# KiCad board GDI-6ch.kicad_pcb
title: GDI 6ch; date: 2024-10-09; rev: b; company: http://rusefi.com/
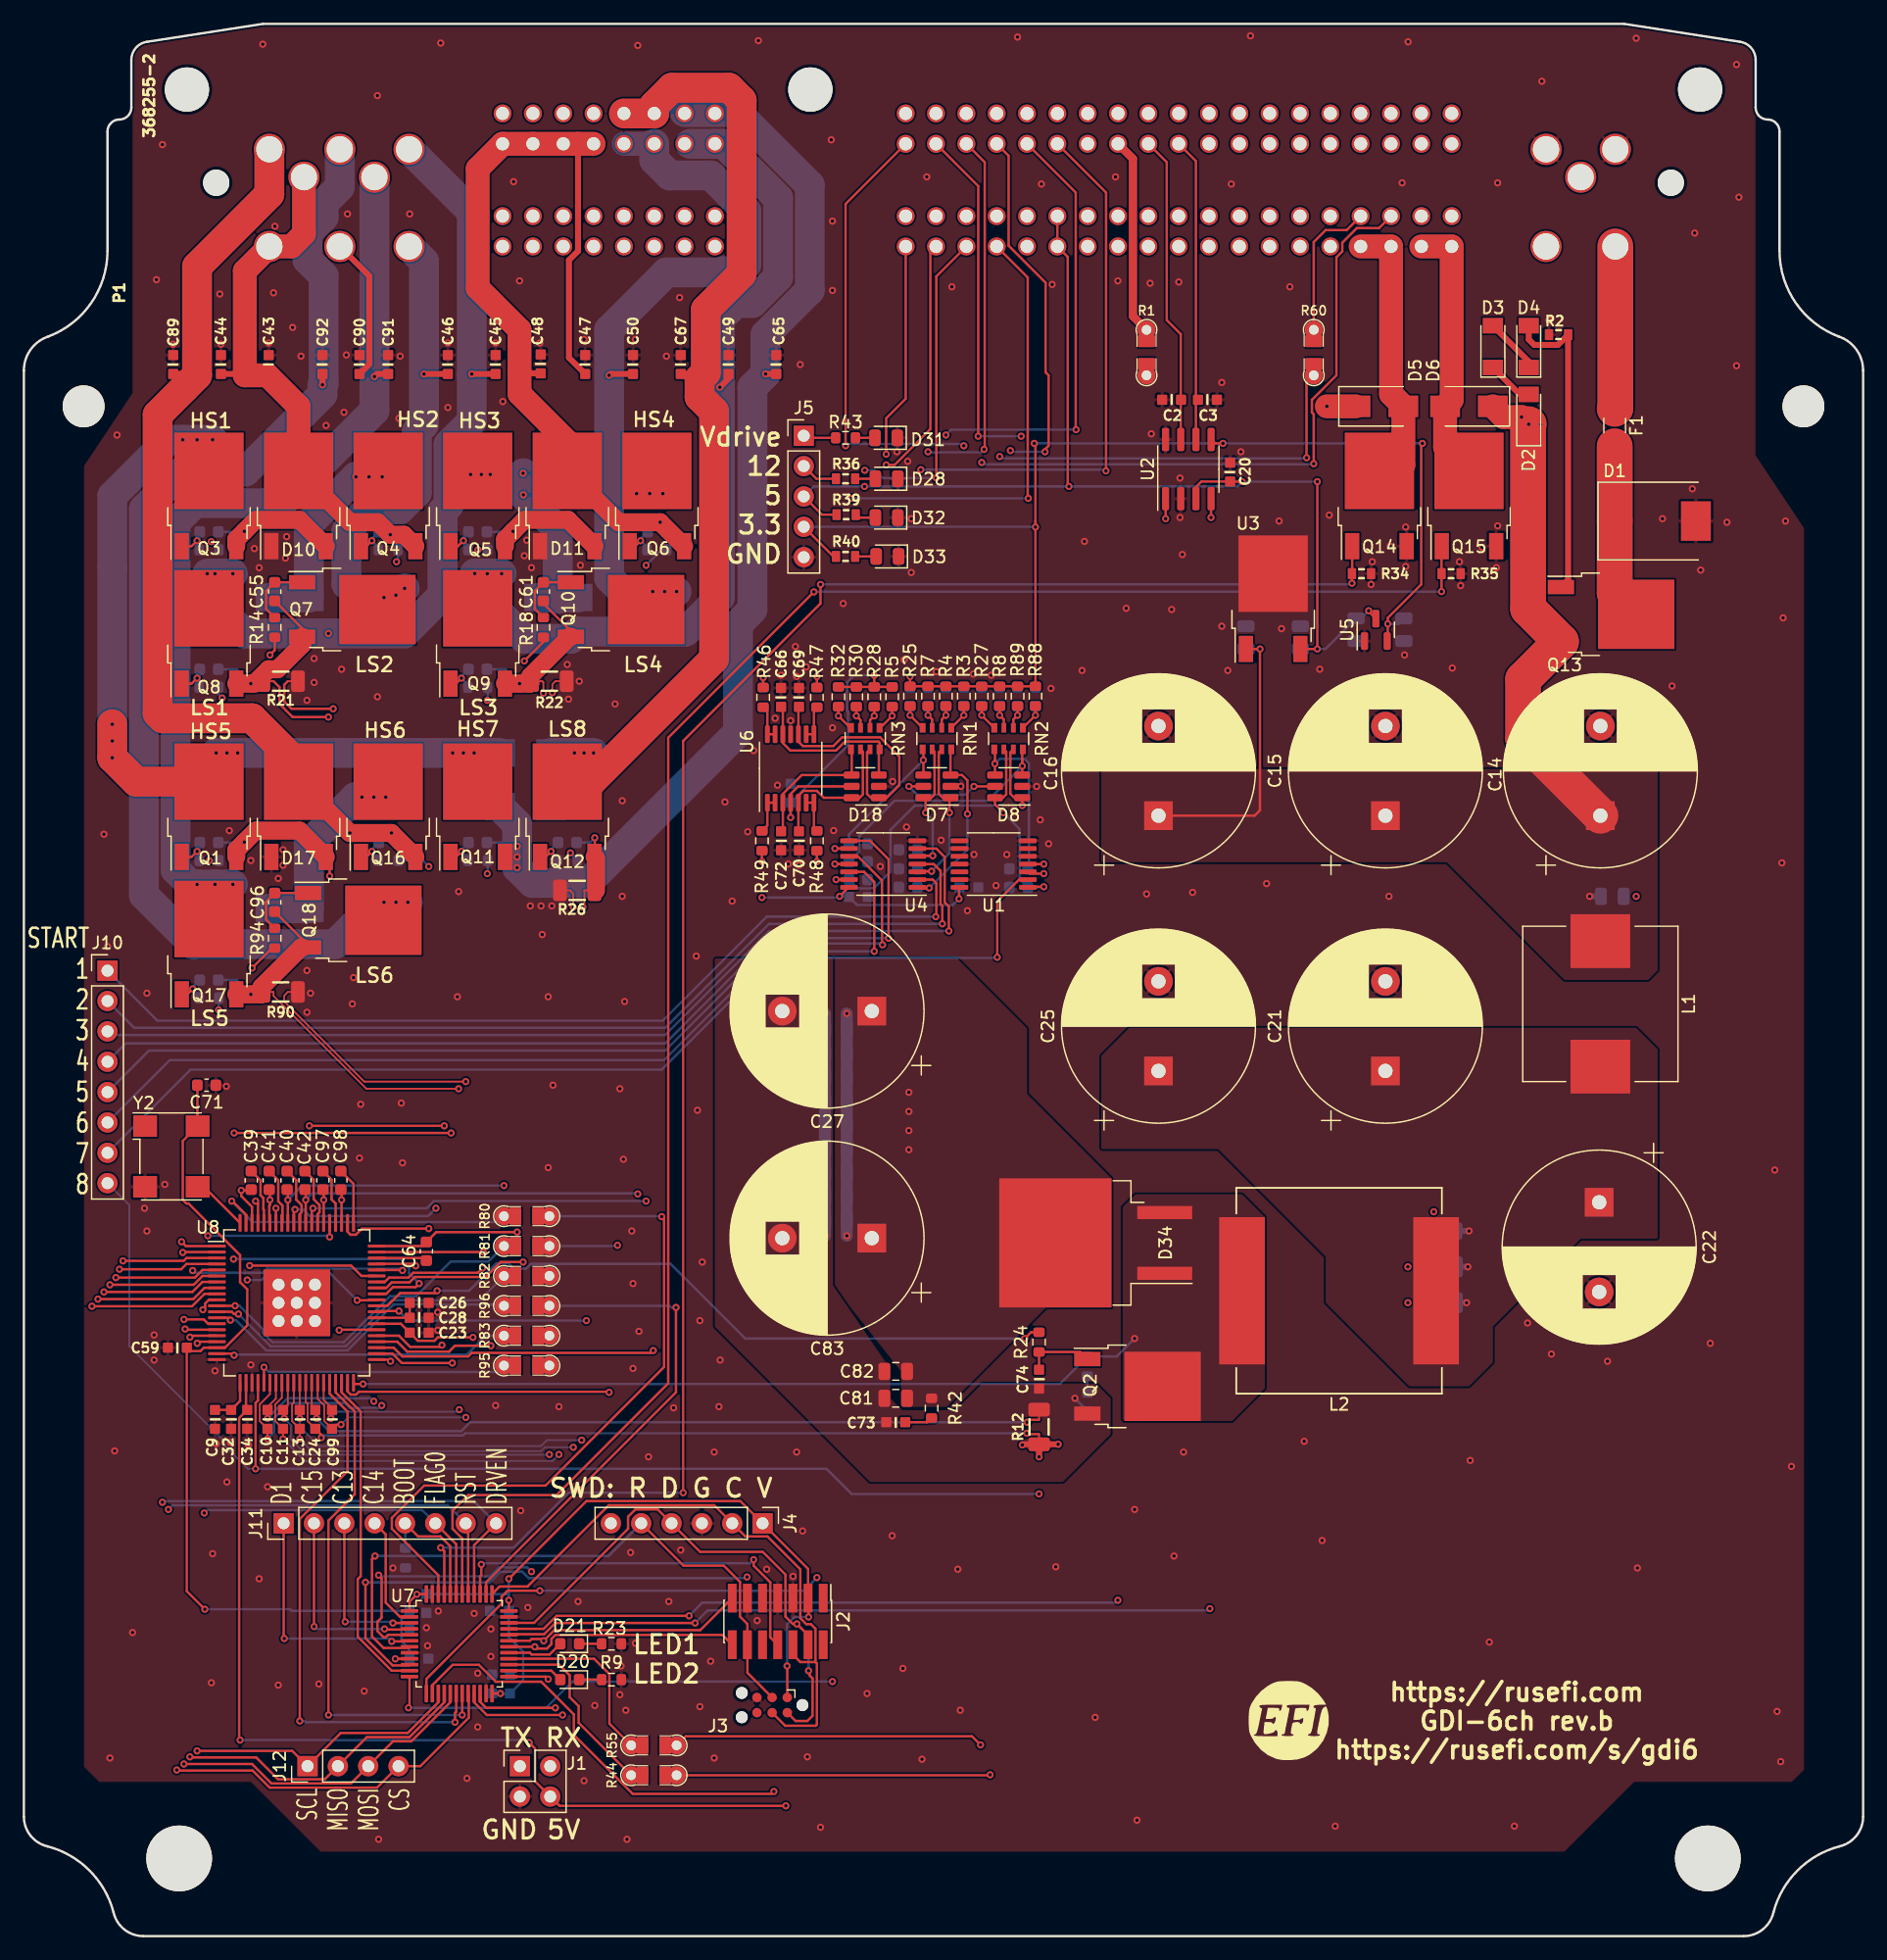
[diagram p0: board, top side]
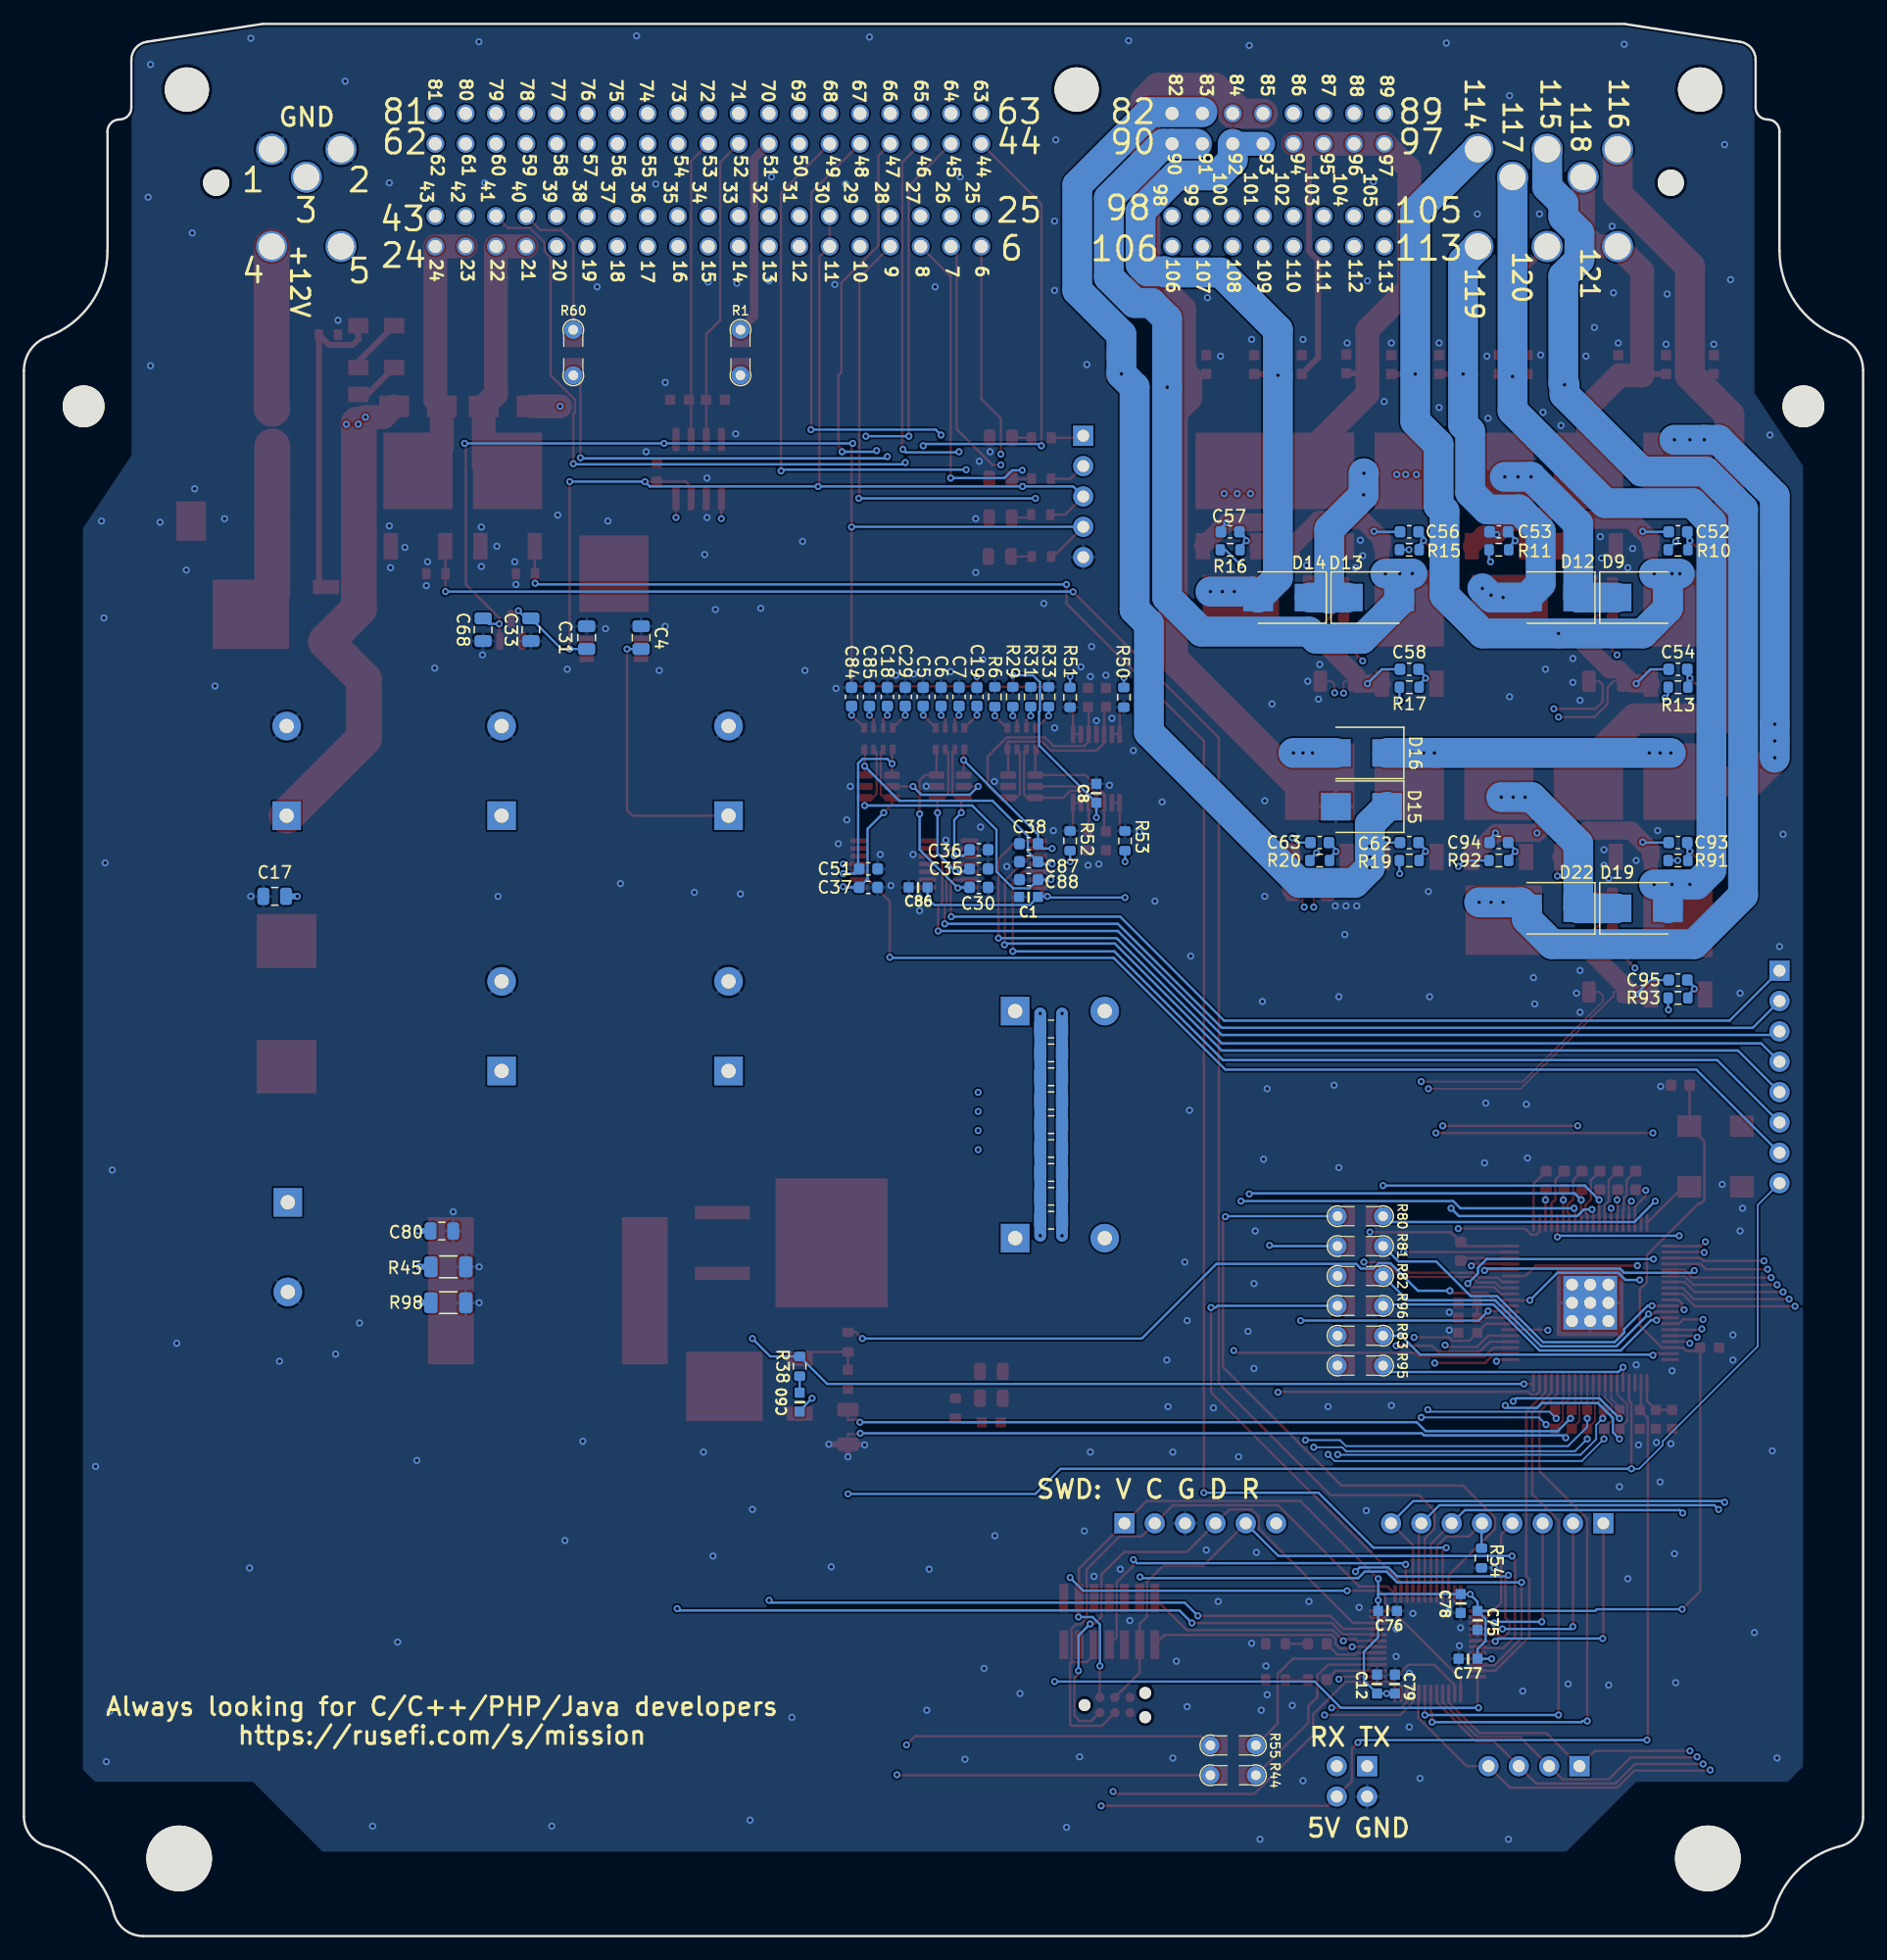
[diagram p1: board, bottom side, seen from below]

Outline 154 x 160 mm; copper layers: Top, GND (plane), PWR (plane), Bottom. Coordinates in mm from the lower left corner of the outline.
Outline path: 0,131 0,10 arc(0.56,8.4) 2,7.5 arc(5.49,5.49) 7.5,2 arc(8.4,0.56) 10,0 144,0 arc(145.6,0.56) 146.5,2 arc(148.51,5.49) 152,7.5 arc(153.44,8.4) 154,10 154,131 arc(153.43,132.75) 151.95,133.85 arc(148.36,136.65) 147,141 147,151 arc(146.71,151.71) 146,152 arc(145.29,152.29) 145,153 145,157 arc(144.63,157.99) 143.7,158.5 134,160 20,160 10.3,158.5 arc(9.37,157.99) 9,157 9,153 arc(8.71,152.29) 8,152 arc(7.29,151.71) 7,151 7,141 arc(5.64,136.65) 2.05,133.85 arc(0.57,132.75) 0,131
Stack: Top 0.035mm / dielectric 0.48mm FR4 er 4.5 / GND 0.035mm / dielectric 0.48mm FR4 er 4.5 / PWR 0.035mm / dielectric 0.48mm FR4 er 4.5 / Bottom 0.035mm

## Placement (name value [footprint] x y rotation side)
C1  100n  [C0603]  69.88 86.95 180 bottom
C2  47p  [C0603]  96.1 128.55 180 top
C3  47p  [C0603]  99.1 128.55 180 top
C4  10u  [C_0805_2012Metric]  102.32 108.65 270 bottom
C5  1000pF  [C_0603_1608Metric]  78.7 103.7 270 bottom
C6  1000pF  [C_0603_1608Metric]  77.2 103.7 270 bottom
C7  1000pF  [C_0603_1608Metric]  75.7 103.7 270 bottom
C8  100n  [C0603]  64.2 95.63 270 bottom
C9  1u  [C0603]  16 43.24 90 top
C10  330p  [C0603]  20.4 43.24 90 top
C11  330p  [C0603]  21.7 43.24 90 top
C12  4.7u  [C0603]  40.7 21.09 270 bottom
C13  330p  [C0603]  23.1 43.24 90 top
C14  470uF  [CP_Radial_D16.0mm_P7.50mm]  132 93.75 90 top
C15  470uF  [CP_Radial_D16.0mm_P7.50mm]  114 93.75 90 top
C16  470uF  [CP_Radial_D16.0mm_P7.50mm]  95 93.75 90 top
C17  0.22uF  [C_0805_2012Metric]  133 87 0 bottom
C18  1000pF  [C_0603_1608Metric]  81.7 103.7 270 bottom
C19  1000pF  [C_0603_1608Metric]  74.2 103.7 270 bottom
C20  100n  [C0603]  101 122.5 270 top
C21  470uF  [CP_Radial_D16.0mm_P7.50mm]  114 72.39 90 top
C22  470uF  [CP_Radial_D16.0mm_P7.50mm]  131.9 61.4 270 top
C23  100n  [C0603]  33.1 50.49 180 top
C24  330p  [C0603]  24.4 43.24 90 top
C25  470uF  [CP_Radial_D16.0mm_P7.50mm]  95 72.39 90 top
C26  4.7u  [C0603]  33.1 52.99 180 top
C27  470uF  [CP_Radial_D16.0mm_P7.50mm]  71 77.4 180 top
C28  100n  [C0603]  33.1 51.74 180 top
C29  1000pF  [C_0603_1608Metric]  80.2 103.7 270 bottom
C30  1000pF  [C_0603_1608Metric]  74.04 87.75 0 bottom
C31  10u  [C_0805_2012Metric]  106.88 108.65 270 bottom
C32  100n  [C0603]  17.35 43.24 90 top
C33  10u  [C_0805_2012Metric]  111.55 109.31 90 bottom
C34  100n  [C0603]  18.7 43.24 90 top
C35  1000pF  [C_0603_1608Metric]  74.04 89.3 0 bottom
C36  1000pF  [C_0603_1608Metric]  74.04 90.9 0 bottom
C37  1000pF  [C_0603_1608Metric]  83.29 87.75 0 bottom
C38  1000pF  [C_0603_1608Metric]  69.86 91.4 180 bottom
C39  0.33uF  [C_0603_1608Metric]  19.04 63.24 270 top
C40  0.33uF  [C_0603_1608Metric]  22.04 63.24 270 top
C41  0.33uF  [C_0603_1608Metric]  20.54 63.24 270 top
C42  0.33uF  [C_0603_1608Metric]  23.54 63.24 270 top
C43  4700p  [C0603]  20.5 131.5 270 top
C44  4700p  [C0603]  16.5 131.5 270 top
C45  4700p  [C0603]  39.5 131.5 270 top
C46  4700p  [C0603]  35.5 131.5 270 top
C47  4700p  [C0603]  47 131.5 270 top
C48  4700p  [C0603]  43.27 131.55 270 top
C49  4700p  [C0603]  59 131.5 270 top
C50  4700p  [C0603]  51 131.5 270 top
C51  1000pF  [C_0603_1608Metric]  83.29 89.3 0 bottom
C52  1000pF  [C_0603_1608Metric]  15.5 117.5 180 bottom
C53  1000pF  [C_0603_1608Metric]  30.5 117.5 180 bottom
C54  1000pF  [C_0603_1608Metric]  15.5 106 180 bottom
C55  1000pF  [C_0603_1608Metric]  21 112.5 90 top
C56  1000pF  [C_0603_1608Metric]  38 117.5 180 bottom
C57  1000pF  [C_0603_1608Metric]  53 117.5 180 bottom
C58  1000pF  [C_0603_1608Metric]  38 106 180 bottom
C59  100n  [C0603]  12.85 49.24 0 top
C60  330p  [C0603]  89.04 44.68 90 bottom
C61  1000pF  [C_0603_1608Metric]  43.5 112.5 90 top
C62  1000pF  [C_0603_1608Metric]  38 91.5 180 bottom
C63  1000pF  [C_0603_1608Metric]  45.5 91.5 180 bottom
C64  0.33uF  [C_0603_1608Metric]  33.7 57.3 90 top
C65  4700p  [C0603]  63 131.5 270 top
C66  100n  [C0603]  63.4 103.65 270 top
C67  4700p  [C0603]  55 131.5 270 top
C68  10u  [C_0805_2012Metric]  115.55 109.31 90 bottom
C69  100n  [C0603]  64.9 103.65 270 top
C70  100n  [C0603]  64.9 91.65 90 top
C71  1000pF  [C_0603_1608Metric]  15.3 71.2 180 top
C72  100n  [C0603]  63.4 91.65 90 top
C73  330p  [C0603]  73 43 0 top
C74  470p  [C0603]  85 46.6 90 top
C75  100n  [C0603]  32.29 26.42 90 bottom
C76  100n  [C0603]  39.82 27.21 0 bottom
C77  100n  [C0603]  33.08 23.21 180 bottom
C78  100n  [C0603]  33.7 27.83 90 bottom
C79  100n  [C0603]  39.2 21.09 270 bottom
C80  0.22uF  [C_0805_2012Metric]  119 59 180 bottom
C81  0.22uF  [C_0805_2012Metric]  73 45 180 top
C82  0.22uF  [C_0805_2012Metric]  73 47.25 180 top
C83  470uF  [CP_Radial_D16.0mm_P7.50mm]  71 58.4 180 top
C84  1000pF  [C_0603_1608Metric]  84.7 103.7 270 bottom
C85  1000pF  [C_0603_1608Metric]  83.2 103.7 270 bottom
C86  100n  [C0603]  79.13 87.75 180 bottom
C87  1000pF  [C_0603_1608Metric]  69.86 89.9 180 bottom
C88  1000pF  [C_0603_1608Metric]  69.86 88.4 180 bottom
C89  4700p  [C0603]  12.5 131.5 270 top
C90  4700p  [C0603]  28.1 131.5 270 top
C91  4700p  [C0603]  30.5 131.5 270 top
C92  4700p  [C0603]  25 131.5 270 top
C93  1000pF  [C_0603_1608Metric]  15.5 91.5 180 bottom
C94  1000pF  [C_0603_1608Metric]  30.5 91.5 180 bottom
C95  1000pF  [C_0603_1608Metric]  15.5 80 180 bottom
C96  1000pF  [C_0603_1608Metric]  21 86.5 90 top
C97  0.33uF  [C_0603_1608Metric]  25.04 63.24 270 top
C98  0.33uF  [C_0603_1608Metric]  26.54 63.24 270 top
C99  330p  [C0603]  25.8 43.24 90 top
D1  SMCJ22CA  [D_SMC]  136.6 118.4 0 top
D2  ZMM5V6  [D_MiniMELF]  126 127.25 90 top
D3  ZMM5V6  [D_MiniMELF]  123 133 90 top
D4  ZMM5V6  [D_MiniMELF]  126 133 90 top
D5  D_Schottky  [D_SMA]  113.5 128 0 top
D6  D_Schottky  [D_SMA]  121 128 180 top
D7  SRV05-4  [SOT-23-6]  76.45 96.2 180 top
D8  SRV05-4  [SOT-23-6]  82.45 96.2 180 top
D9  STPS2H100UY  [D_SMB]  18.5 112 180 bottom
D10  SBR10200CTL  [TO-252-2]  23 120.5 90 top
D11  SBR10200CTL  [TO-252-2]  45.5 120.5 90 top
D12  STPS2H100UY  [D_SMB]  26 112 0 bottom
D13  STPS2H100UY  [D_SMB]  41 112 180 bottom
D14  STPS2H100UY  [D_SMB]  48.5 112 0 bottom
D15  STPS2H100UY  [D_SMB]  42 94.5 0 bottom
D16  STPS2H100UY  [D_SMB]  42 99 0 bottom
D17  SBR10200CTL  [TO-252-2]  23 94.5 90 top
D18  SRV05-4  [SOT-23-6]  70.45 96.2 180 top
D19  STPS2H100UY  [D_SMB]  18.5 86 180 bottom
D20  BLUE  [LED_0603_1608Metric]  45.7 21.46 180 top
D21  GREEN  [LED_0603_1608Metric]  45.7 24.46 180 top
D22  STPS2H100UY  [D_SMB]  26 86 0 bottom
D28  LED_Small  [LED_0805_2012Metric]  72.24 121.94 180 top
D31  LED_Small  [LED_0805_2012Metric]  72.2 125.37 180 top
D32  LED_Small  [LED_0805_2012Metric]  72.24 118.69 180 top
D33  LED_Small  [LED_0805_2012Metric]  72.3 115.44 180 top
D34  STTH802G-TR  [TO-263-2]  89.74 58 180 top
F1  10A  [Fuse_1206_3216Metric]  133.2 126.4 270 top
G1  RUSEFI_LOGO  [rusefi_logo]  105.9 18 0 top
J1  Conn_02x02_Odd_Even  [PinHeader_2x02_P2.54mm_Vertical]  41.53 14.22 0 top  (not fitted)
J2  FTSH-107-01-F-DV-K  [PinHeader_2x07_P1.27mm_Vertical_SMD]  63.12 26.33 270 top  (not fitted)
J3  TC2030  [Tag-Connect_TC2030-IDC-NL_2x03_P1.27mm_Vertical]  62.65 19.33 180 top  (not fitted)
J4  Conn_01x06  [PinHeader_1x06_P2.54mm_Vertical]  61.85 34.54 270 top  (not fitted)
J5  Conn_01x05  [PinHeader_1x05_P2.54mm_Vertical]  65.3 125.54 0 top
J6  Conn_01x01  [MountingHole_3.5mm]  5 128 180 top
J7  Conn_01x01  [MountingHole_3.5mm]  149 128 180 top
J8  Conn_01x01  [MountingHole_5.5mm]  141 6.5 180 top
J9  Conn_01x01  [MountingHole_5.5mm]  13 6.5 180 top
J10  Conn_01x08  [PinHeader_1x08_P2.54mm_Vertical]  7 80.78 0 top  (not fitted)
J11  Conn_01x08  [PinHeader_1x08_P2.54mm_Vertical]  21.75 34.54 90 top  (not fitted)
J12  Conn_01x04  [PinHeader_1x04_P2.54mm_Vertical]  23.75 14.22 90 top  (not fitted)
L1  6.8uH  [L_Wuerth_HCI-1350]  132 78 270 top
L2  10uH  [L_Vishay_IHLP-6767]  110.12 54 180 top
P1  368255-2  [TE_368255-2]  20.49 141.38 0 top
Q1  BUK9230-100B  [TO-252-2]  15.5 94.5 90 top
Q2  BUK9230-100B  [TO-252-2]  93.24 46 0 top
Q3  BUK9230-100B  [TO-252-2]  15.5 120.5 90 top
Q4  BUK9230-100B  [TO-252-2]  30.5 120.5 90 top
Q5  BUK9230-100B  [TO-252-2]  38 120.5 90 top
Q6  BUK9230-100B  [TO-252-2]  53 120.5 90 top
Q7  BUK9230-100B  [TO-252-2]  27.5 111 0 top
Q8  BUK9230-100B  [TO-252-2]  15.5 109 90 top
Q9  BUK9230-100B  [TO-252-2]  38 109 90 top
Q10  BUK9230-100B  [TO-252-2]  50 111 0 top
Q11  BUK9230-100B  [TO-252-2]  38 94.5 90 top
Q12  BUK9230-100B  [TO-252-2]  45.5 94.5 90 top
Q13  AOD4185  [TO-252-2]  132.9 110.6 0 top
Q14  VND14NV04TR-E  [TO-252-2]  113.5 120.5 90 top
Q15  VND14NV04TR-E  [TO-252-2]  121 120.5 90 top
Q16  BUK9230-100B  [TO-252-2]  30.5 94.5 90 top
Q17  BUK9230-100B  [TO-252-2]  15.5 83 90 top
Q18  BUK9230-100B  [TO-252-2]  28 85 0 top
R1  DNP  [PAD-0805-PAD]  94 132.5 270 top
R2  10k  [R0603]  128.5 134 0 top
R3  1K  [R_0603_1608Metric]  78.7 103.75 270 top
R4  1K  [R_0603_1608Metric]  77.2 103.75 270 top
R5  DNP  [R_0603_1608Metric]  72.7 103.7 270 top
R6  470K  [R_0603_1608Metric]  72.7 103.7 90 bottom
R7  1K  [R_0603_1608Metric]  75.7 103.75 270 top
R8  1K  [R_0603_1608Metric]  81.7 103.75 270 top
R9  1K  [R_0603_1608Metric]  49.2 21.46 0 top
R10  10  [R_0603_1608Metric]  15.5 116 180 bottom
R11  10  [R_0603_1608Metric]  30.5 116 180 bottom
R12  0.01  [Shunt_1206]  85 42.6 270 top
R13  10  [R_0603_1608Metric]  15.5 104.5 180 bottom
R14  10  [R_0603_1608Metric]  21 109.5 90 top
R15  10  [R_0603_1608Metric]  38 116 180 bottom
R16  10  [R_0603_1608Metric]  53 116 180 bottom
R17  10  [R_0603_1608Metric]  38 104.5 180 bottom
R18  10  [R_0603_1608Metric]  43.5 109.5 90 top
R19  10  [R_0603_1608Metric]  38 90 180 bottom
R20  10  [R_0603_1608Metric]  45.5 90 180 bottom
R21  0.01  [Shunt_1206]  21.5 105 0 top
R22  0.01  [Shunt_1206]  44 105 0 top
R23  1K  [R_0603_1608Metric]  49.2 24.46 180 top
R24  10  [R_0603_1608Metric]  85 49.7 90 top
R25  1K  [R_0603_1608Metric]  74.2 103.75 270 top
R26  0.01  [Shunt_1206]  46.33 87.5 180 top
R27  1K  [R_0603_1608Metric]  80.2 103.75 270 top
R28  DNP  [R_0603_1608Metric]  71.2 103.7 270 top
R29  470K  [R_0603_1608Metric]  71.2 103.7 90 bottom
R30  DNP  [R_0603_1608Metric]  69.7 103.7 270 top
R31  470K  [R_0603_1608Metric]  69.7 103.7 90 bottom
R32  DNP  [R_0603_1608Metric]  68.2 103.7 270 top
R33  470K  [R_0603_1608Metric]  68.2 103.7 90 bottom
R34  10k  [R0603]  112 114 180 top
R35  10k  [R0603]  119.5 114 180 top
R36  5.1k  [R0603]  68.8 121.94 180 top
R38  5.1  [R_0603_1608Metric]  89.04 47.68 90 bottom
R39  1.6k  [R0603]  68.85 118.94 180 top
R40  750  [R0603]  68.8 115.44 180 top
R42  5.1  [R_0603_1608Metric]  76 44.18 90 top
R43  75K  [R_0603_1608Metric]  68.8 125.37 180 top
R44  DNP  [PAD-0805-PAD]  52.75 13.46 180 top
R45  2K  [R_1206_3216Metric]  118.46 56 180 bottom
R46  6.8K  [R_0603_1608Metric]  61.9 103.65 270 top
R47  6.8K  [R_0603_1608Metric]  66.4 103.65 270 top
R48  6.8K  [R_0603_1608Metric]  66.4 91.65 90 top
R49  6.8K  [R_0603_1608Metric]  61.8 91.65 90 top
R50  10K  [R_0603_1608Metric]  61.9 103.65 90 bottom
R51  10K  [R_0603_1608Metric]  66.4 103.65 90 bottom
R52  10K  [R_0603_1608Metric]  66.4 91.65 270 bottom
R53  10K  [R_0603_1608Metric]  61.8 91.65 270 bottom
R54  10K  [R_0603_1608Metric]  31.95 31.63 270 bottom
R55  DNP  [PAD-0805-PAD]  52.75 15.96 180 top
R60  DNP  [PAD-0805-PAD]  108 132.5 270 top
R80  DNP  [PAD-0805-PAD]  42.1 60.24 0 top
R81  DNP  [PAD-0805-PAD]  42.1 57.74 0 top
R82  DNP  [PAD-0805-PAD]  42.1 55.24 0 top
R83  DNP  [PAD-0805-PAD]  42.1 50.24 0 top
R88  1K  [R_0603_1608Metric]  84.7 103.75 270 top
R89  1K  [R_0603_1608Metric]  83.2 103.75 270 top
R90  0.01  [Shunt_1206]  21.5 79 0 top
R91  10  [R_0603_1608Metric]  15.5 90 180 bottom
R92  10  [R_0603_1608Metric]  30.5 90 180 bottom
R93  10  [R_0603_1608Metric]  15.5 78.5 180 bottom
R94  10  [R_0603_1608Metric]  21 83.5 90 top
R95  DNP  [PAD-0805-PAD]  42.1 47.74 0 top
R96  DNP  [PAD-0805-PAD]  42.1 52.74 0 top
R97  56k  [R_0805_2012Metric]  67.99 61.9 180 bottom
R98  2K  [R_1206_3216Metric]  118.46 53 180 bottom
R99  56k  [R_0805_2012Metric]  67.99 59.9 180 bottom
R100  56k  [R_0805_2012Metric]  67.99 73.9 180 bottom
R101  56k  [R_0805_2012Metric]  67.99 63.9 180 bottom
R102  56k  [R_0805_2012Metric]  67.99 75.9 180 bottom
R103  56k  [R_0805_2012Metric]  67.99 71.9 180 bottom
R104  56k  [R_0805_2012Metric]  67.99 67.9 180 bottom
R105  56k  [R_0805_2012Metric]  67.99 65.9 180 bottom
R106  56k  [R_0805_2012Metric]  67.99 69.9 180 bottom
RN1  10k  [R_Array_Convex_4x0603]  76.45 100.2 270 top
RN2  10k  [R_Array_Convex_4x0603]  82.45 100.2 270 top
RN3  10k  [R_Array_Convex_4x0603]  70.45 100.2 270 top
U1  74HC14  [TSSOP-14_4.4x5mm_P0.65mm]  81.2 89.7 180 top
U2  TJA1051T-3  [SOIC-8_3.9x4.9mm_P1.27mm]  97.5 122.75 90 top
U3  LM78M05_TO252  [TO-252-2]  104.6 111.9 90 top
U4  74HC14  [TSSOP-14_4.4x5mm_P0.65mm]  71.95 89.7 180 top
U5  XC6206P332MR  [SOT-23]  113.2 109.3 90 top
U6  MCP6004  [TSSOP-14_4.4x5mm_P0.65mm]  64.2 97.7 90 top
U7  STM32F103C8Tx  [LQFP-48_7x7mm_P0.5mm]  36.45 24.46 0 top
U8  PT2000  [LQFP-80-1EP_12x12mm_P0.5mm]  22.85 52.99 0 top
Y2  1MHz  [Oscillator_SMD_Diodes_FN-4Pin_7.0x5.0mm]  12.35 65.24 0 top

## Library data of the parts
C1 C8 C20 C23 C28 C32 C34 C59 C66 C69 C70 C72 C75-C79 C86 = -: LCSC: C14663
C2 C3 = -: LCSC: C1671
C4 C31 C33 C68 = -: LCSC: C15850
C5-C7 C18 C19 C29 C30 C35-C38 C51-C58 C61-C63 C71 C84 C85 C87 C88 C93-C96 = -: LCSC: C106247; ki_fp_filters: C_*
C9 = -: LCSC: C15849
C10 C11 C13 C24 C60 C73 C99 = -: LCSC: C576850
C12 C26 = -: LCSC: C19666
C14-C16 C21 C22 C25 C27 C83 = -: LCSC: C443092; ki_fp_filters: CP_*
C17 C80-C82 = -: LCSC: C513710; ki_fp_filters: C_*
C39-C42 C64 C97 C98 = -: LCSC: C1615; ki_fp_filters: C_*
C43-C50 C65 C67 C89-C92 = -: LCSC: C327158
C74 = -: LCSC: C326973
D1 = -: LCSC: C151904; ki_fp_filters: TO-???* *_Diode_* *SingleDiode* D_*
D2-D4 = -: Datasheet: https://datasheet.lcsc.com/szlcsc/Semtech-ZMM5V6_C8062.pdf; LCSC: C7497481; ki_fp_filters: TO-???* *_Diode_* *SingleDiode* D_*
D5 D6 = -: LCSC: C8678; LCSC_ext: 0; ki_fp_filters: TO-???* *_Diode_* *SingleDiode* D_*
D7 D8 D18 = -: LCSC: C85364; ki_fp_filters: SOT?363*
D9 D12-D16 D19 D22 = -: LCSC: C163541; ki_fp_filters: TO-???* *_Diode_* *SingleDiode* D_*
D10 D11 D17 = -: LCSC: C135494
D20 = -: LCSC: C497940; ki_fp_filters: LED* LED_SMD:* LED_THT:*
D21 = -: LCSC: C965804; ki_fp_filters: LED* LED_SMD:* LED_THT:*
D28 D31-D33 = -: LCSC: C2296; ki_fp_filters: LED* LED_SMD:* LED_THT:*
D34 = -: LCSC: C181034; ki_fp_filters: TO-???* *_Diode_* *SingleDiode* D_*
F1 = -: Description: Fuse; LCSC: C136354; ki_fp_filters: *Fuse*
J1-J3 = -: ki_fp_filters: Connector*:*_2x??_*
J4 = -: ki_fp_filters: Connector*:*_1x??_*
J5 = -: Description: Generic connector, single row, 01x05, script generated (kicad-library-utils/schlib/autogen/connector/); ki_fp_filters: Connector*:*_1x??_*
J6-J9 = -: Description: Mounting Hole without connection; ki_fp_filters: MountingHole*
J10 J11 = -: Description: Generic connector, single row, 01x08, script generated (kicad-library-utils/schlib/autogen/connector/); ki_fp_filters: Connector*:*_1x??_*
J12 = -: Description: Generic connector, single row, 01x04, script generated (kicad-library-utils/schlib/autogen/connector/); ki_fp_filters: Connector*:*_1x??_*
L1 = -: LCSC: C149517; ki_fp_filters: Choke_* *Coil* Inductor_* L_*
L2 = -: LCSC: C237980; ki_fp_filters: Choke_* *Coil* Inductor_* L_*
Q1-Q12 Q16-Q18 = -: LCSC: C89735; MFG,MFG#: Nexperia,BUK9230-100B; VEND1,VEND1#: DIGI,1727-4708-1-ND; VEND2,VEND2#: ,
Q13 = -: LCSC: C400894; ki_fp_filters: TO?252*
Q14 Q15 = -: LCSC: C2649436; ki_fp_filters: DirectFET*L8*
R2 R34 R35 = -: LCSC: C25804
R3 R4 R7-R9 R23 R25 R27 R88 R89 = -: LCSC: C21190; ki_fp_filters: R_*
R5 R28 R30 R32 = -: ki_fp_filters: R_*
R6 R29 R31 R33 = -: LCSC: C23178; ki_fp_filters: R_*
R10 R11 R13-R20 R24 R91-R94 = -: LCSC: C22859; ki_fp_filters: R_*
R12 R21 R22 R26 R90 = -: LCSC: C309628; ki_fp_filters: R_*Shunt*
R36 = -: LCSC: C23186
R38 R42 = -: LCSC: C25197; ki_fp_filters: R_*
R39 = -: LCSC: C22847
R40 = -: LCSC: C23241
R43 = -: LCSC: C23242; ki_fp_filters: R_*
R45 R98 = -: LCSC: C17944; ki_fp_filters: R_*
R46-R49 = -: LCSC: C23212; ki_fp_filters: R_*
R50-R54 = -: LCSC: C25804; Manufacturer: StackPole; Part #: RMCF0603JT10K0; VEND: DIGI; VEND#: RMCF0603JT10K0CT-ND; ki_fp_filters: R_*
R97 R99-R106 = -: LCSC: C17756; ki_fp_filters: R_*
RN1-RN3 = -: LCSC: C29718; Manufacturer: Yageo; Part #: YC164-JR-0710KL; VEND: DIGI; VEND#: YC164J-10KCT-ND; ki_fp_filters: DIP* SOIC* R*Array*Concave* R*Array*Convex*
U1 U4 = -: Datasheet: http://www.ti.com/lit/gpn/sn74HC14; LCSC: C5606; ki_fp_filters: DIP*W7.62mm*
U2 = -: Datasheet: http://www.nxp.com/documents/data_sheet/TJA1051.pdf; LCSC: C38695; ki_fp_filters: SOIC*3.9x4.9mm*P1.27mm*
U3 = -: Datasheet: http://www.fairchildsemi.com/ds/LM/LM78M05.pdf; LCSC: C58069; ki_fp_filters: TO?252*
U5 = -: Datasheet: https://www.torexsemi.com/file/xc6206/XC6206.pdf; LCSC: C5446; ki_fp_filters: SOT?23*
U6 = -: Datasheet: http://ww1.microchip.com/downloads/en/DeviceDoc/21733j.pdf; LCSC: C248577; Manufacturer: MicroChip; Part #: MCP6004T-I/ST; VEND: DIGI; VEND#: MCP6004T-I/STCT-ND; ki_fp_filters: SOIC*3.9x8.7mm*P1.27mm* DIP*W7.62mm* TSSOP*4.4x5mm*P0.65mm* SSOP*5.3x6.2mm*P0.65mm* MSOP*3x3mm*P0.5mm*
U7 = -: Datasheet: http://www.st.com/st-web-ui/static/active/en/resource/technical/document/datasheet/CD00210843.pdf; LCSC: C8734; ki_fp_filters: LQFP*7x7mm*P0.5mm*
U8 = -: LCSC: C1574969; ki_fp_filters: Housings_QFP:LQFP-80_12x12mm_Pitch0.5mmThermal
Y2 = -: LCSC: C2901463; ki_fp_filters: Oscillator*Abracon*ABLNO*
